# Altium PCB pioneer_2-bluepill_eletronic_wrapper.PcbDoc (part 1 of 2)
Units mm, origin at the board's own origin, x right, y up, seen from the top; angles counter-clockwise.
Board outline 74.55 x 93.73 mm, 2 copper layers (Top Layer, Bottom Layer); 99 components, 70 nets, 327 pads, 80 vias.
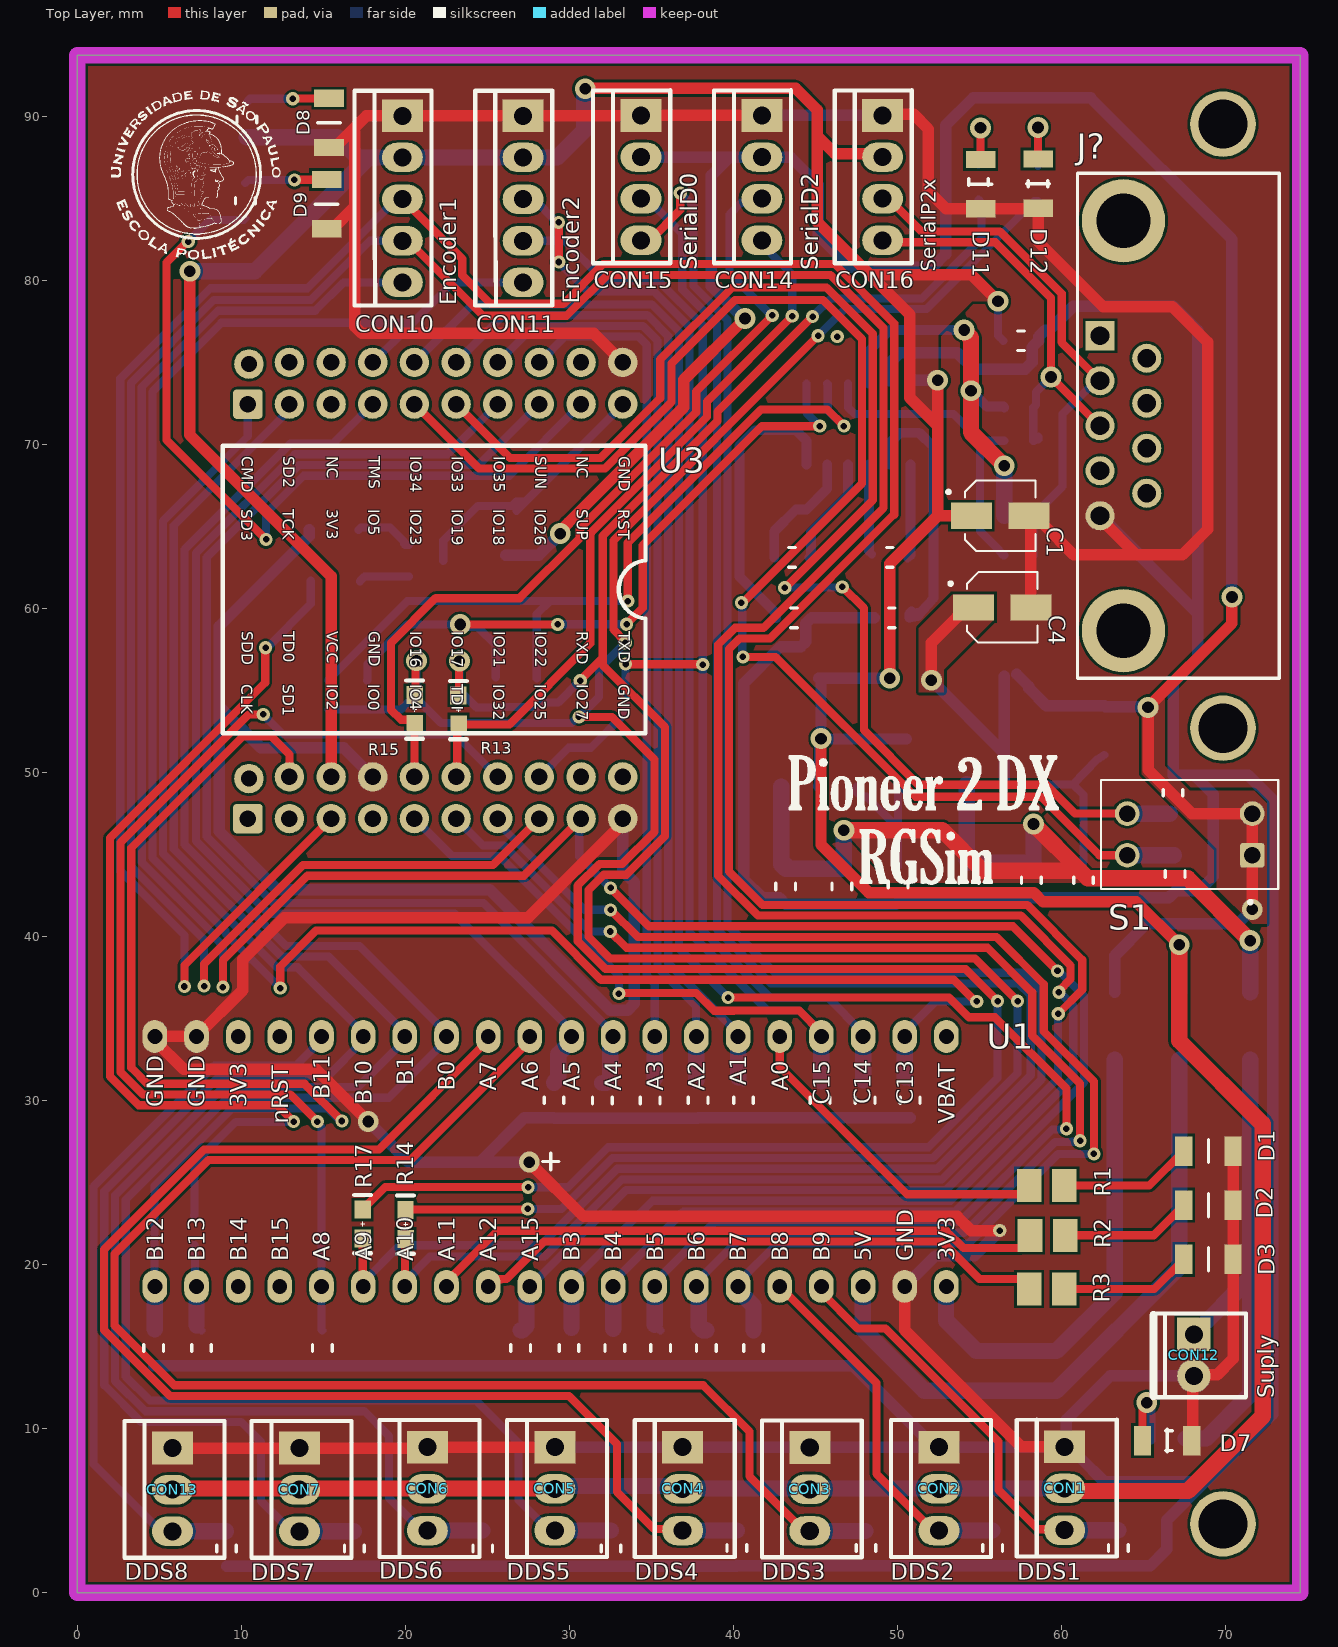
[diagram p0: Top Layer view]
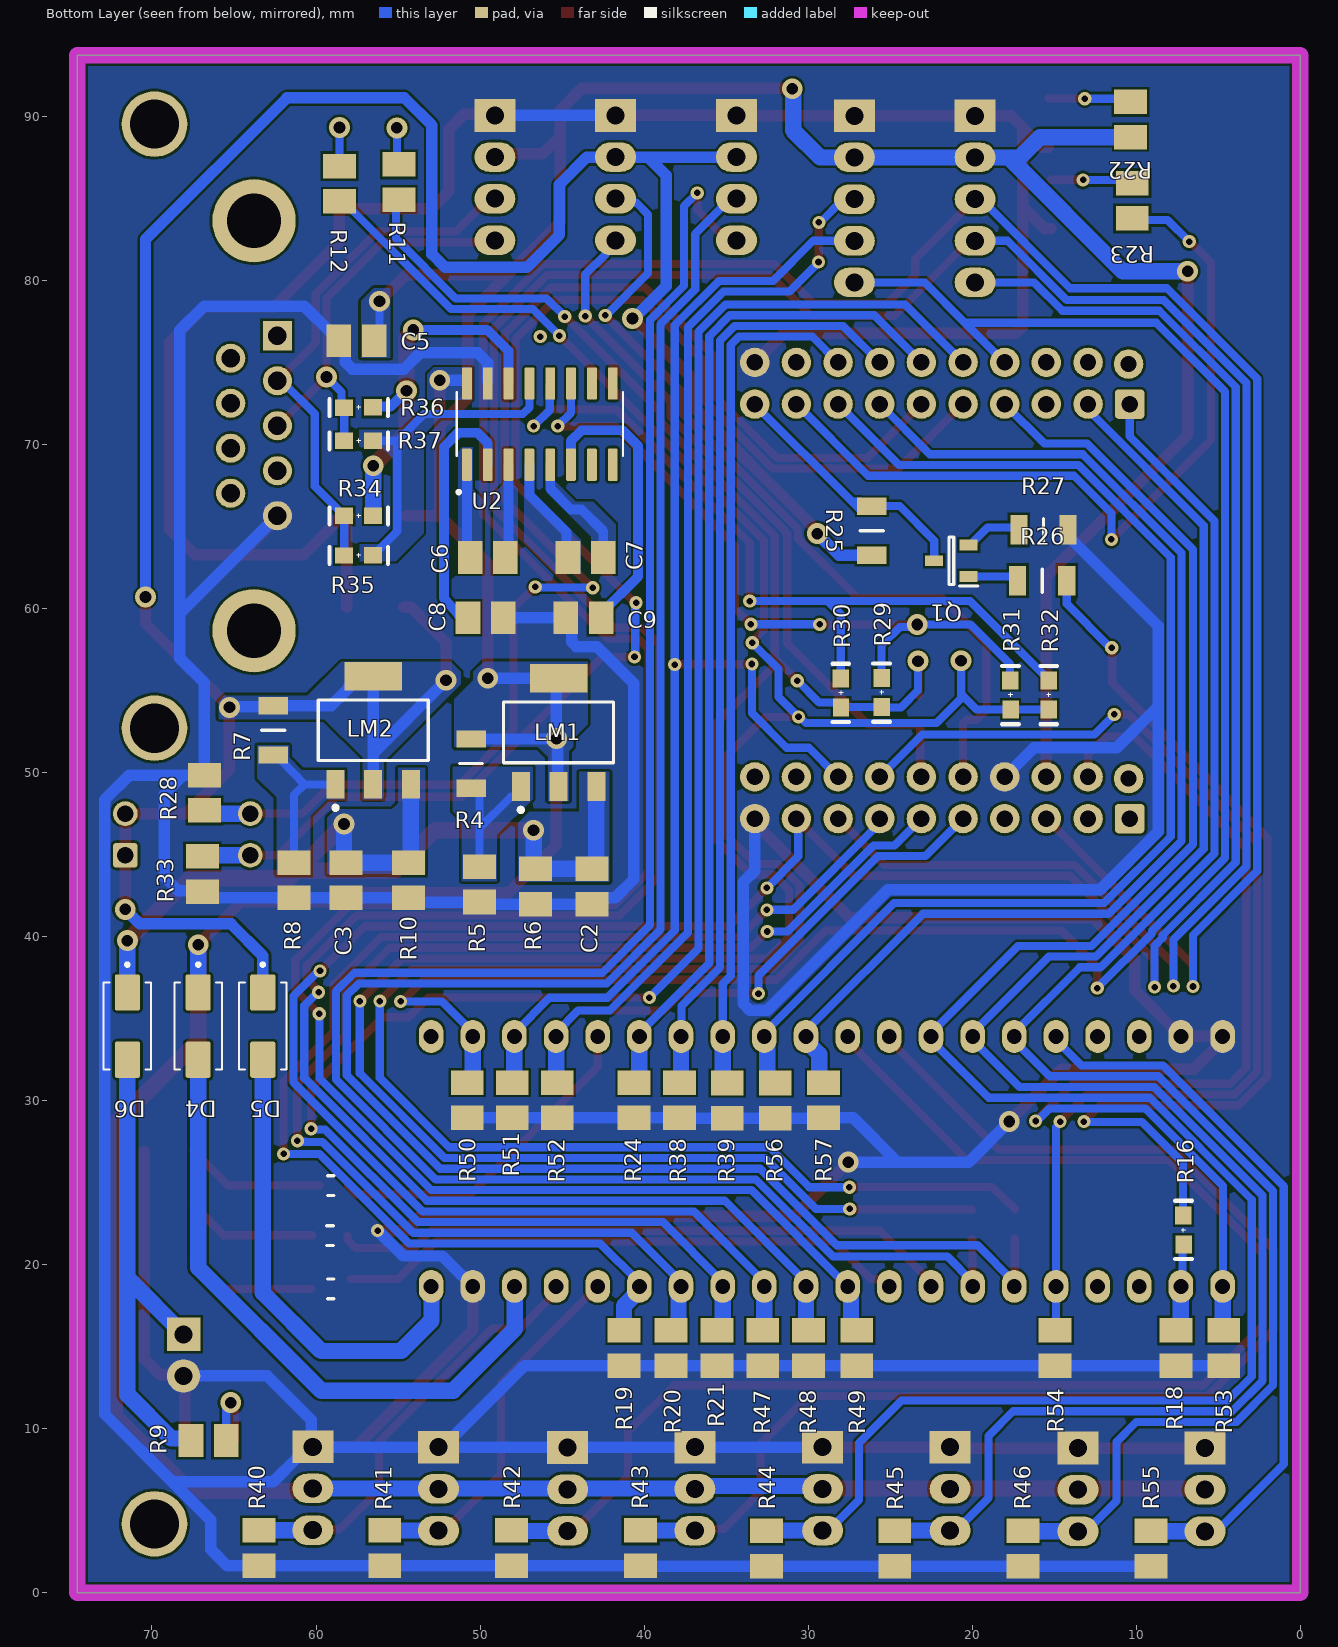
[diagram p1: Bottom Layer view, seen from below]
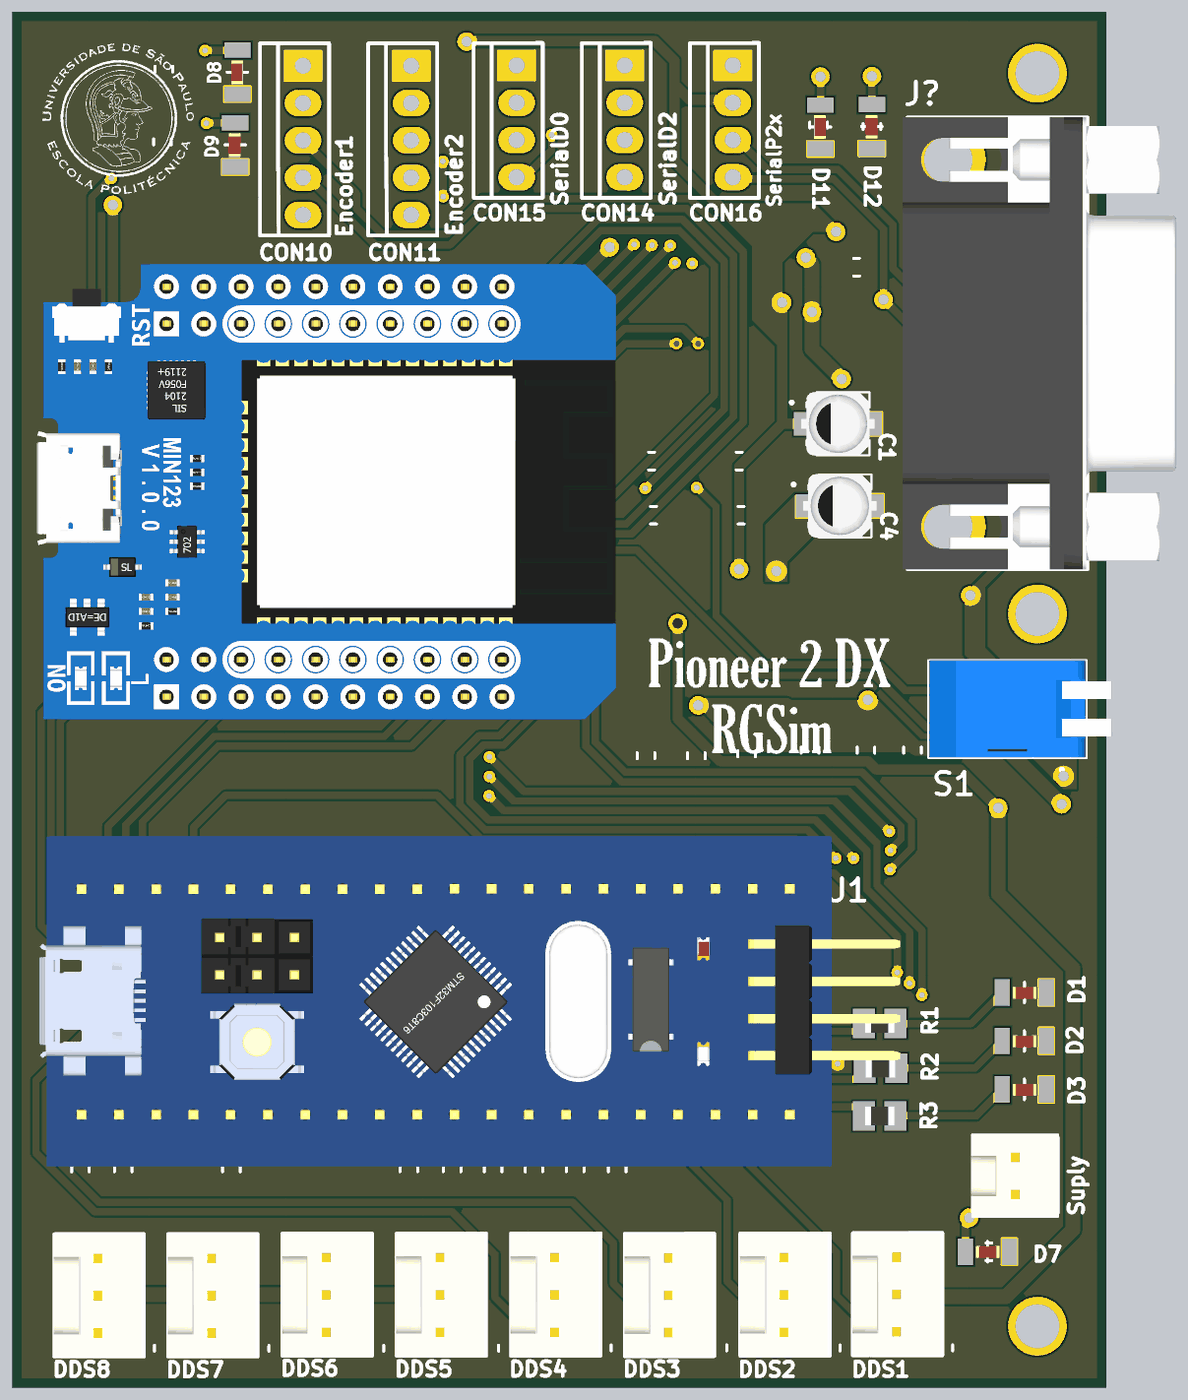
[diagram p3: 3D render of the assembled board from above, using the file's embedded part models]
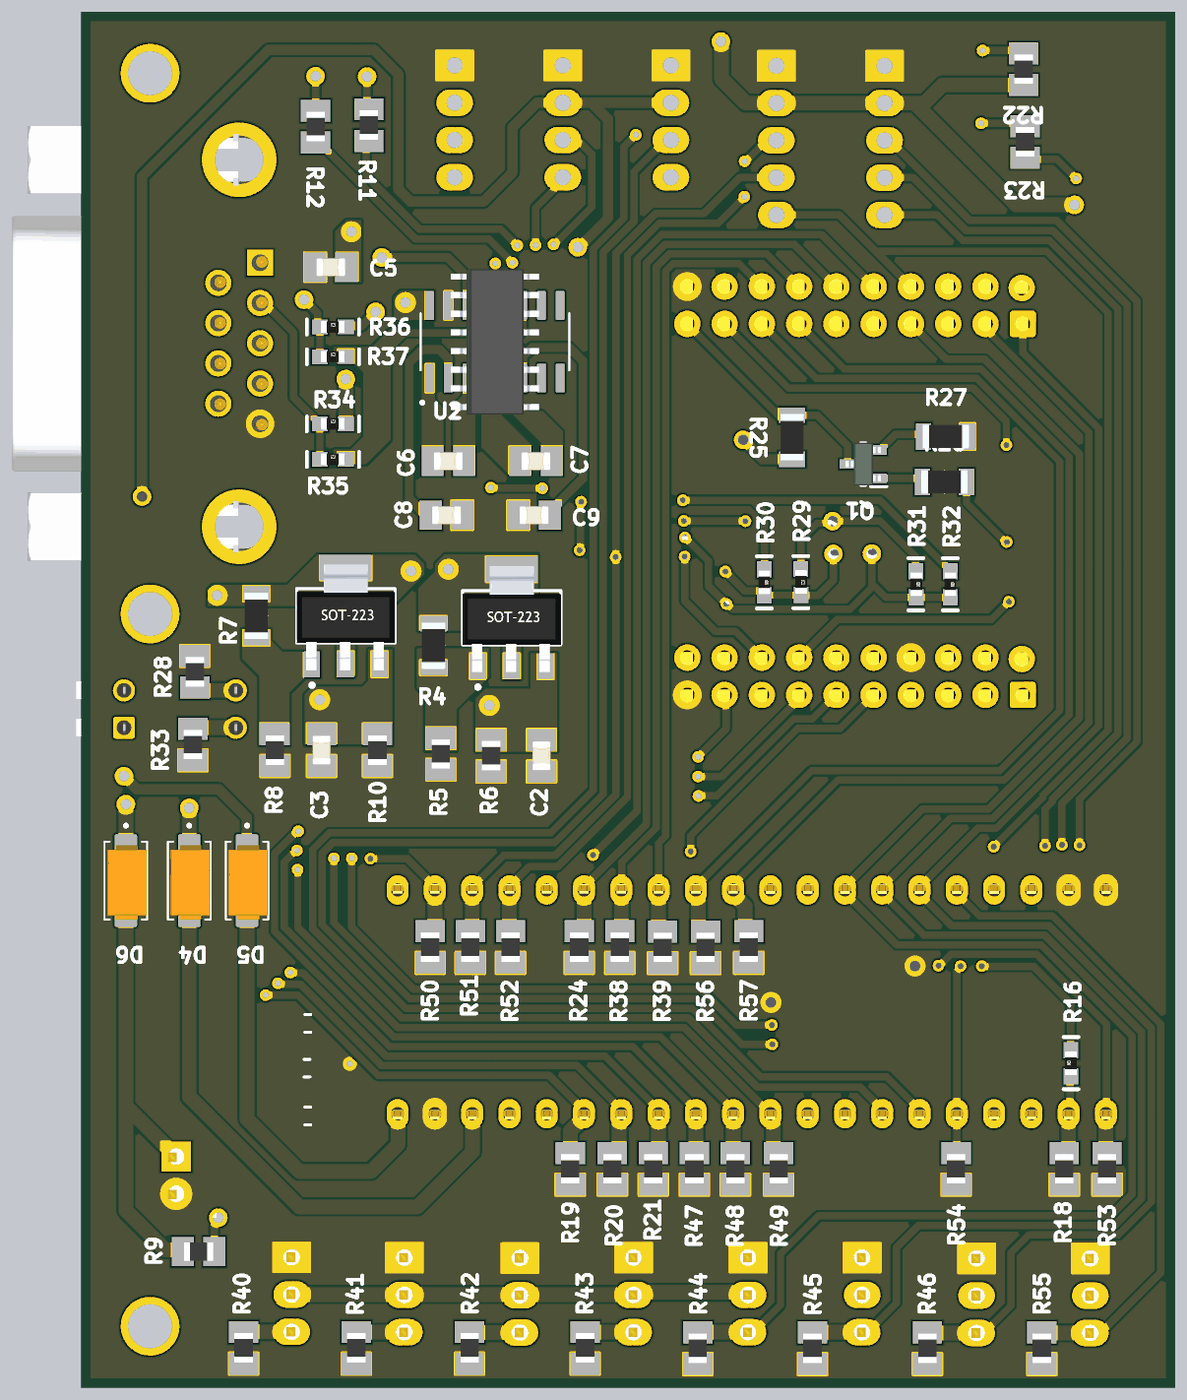
[diagram p4: 3D render of the assembled board from below, using the file's embedded part models]

## Layer stack, top to bottom
Top Solder: solder mask 0.0102, Solder Resist, Dk 3.5
Top Layer: signal copper 0.0356
Dielectric 1: dielectric 0.32, FR-4, Dk 4.8
Bottom Layer: signal copper 0.0356
Bottom Solder: solder mask 0.0102, Solder Resist, Dk 3.5

## Board outline
0,0 74.549,0 74.549,93.726 0,93.726

## Design rules (kind name [scope] priority, off if disabled: settings)
Clearance [All] p1: gap=0.152 ignorepadtopadclearanceinfootprint=FALSE except(0: Arc-Hole Track-Hole SMDPad-Hole THPad-Hole Via-Hole Fill-Hole Poly-Hole Region-Hole Text-Hole)
ComponentClearance [All] p1: gap=0.1 collisioncheckmode=3 verticalgap=0.1 showdistances=FALSE
HoleSize [All] p1: absolutevalues=TRUE maxlimit=3.4 minlimit=0.025 maxpercent=80.000 minpercent=20.000
MinimumSolderMaskSliver [All] p1: minsoldermaskwidth=0.1
PolygonConnect [All] p1: connectstyle=Direct reliefconductorwidth=0.254 reliefentries=4 polygonreliefangle="90 Angle" airgapwidth=0.254
RoutingVias [All] p1: holewidth=0.4 width=0.8 viastyle="Through Hole" minholewidth=0.3 minwidth=0.6 maxholewidth=0.5 maxwidth=1
SilkToSilkClearance [All] p1: silktosilkclearance=0
SilkToSolderMaskClearance [IsPad] p1: minsilkscreentomaskgap=0 clearancetoexposedcopper=TRUE
SolderMaskExpansion [All] p1: expansion=0.08 istentingtop=FALSE
SupplyNets "Schematic Supply Nets_4" [InNet('gnd')] p1: voltage=0.000
SupplyNets "Schematic Supply Nets_3" [InNet('3v3')] p2: voltage=0.000
SupplyNets "Schematic Supply Nets_2" [InNet('5v')] p3: voltage=0.000
SupplyNets "Schematic Supply Nets" [InNet('VCC')] p4: voltage=0.000
Width [All] p1: maxlimit=1 minlimit=0.3 preferedwidth=0.5
25 further rules are at their usual default settings.

## Classes and differential pairs
component class U_pioneer_2-bluepill_eletronic_wrapper-supply: C1 C2 C3 C4 CON12 D4 D5 D6 D7 LM1 LM2 R4 R5 R6 R7 R8 R9 R10
component class U_pioneer_2-bluepill_eletronic_wrapper-communication: C5 C6 C7 C8 C9 CON14 CON15 CON16 D8 D9 D11 D12 J? Q1 R11 R12 R13 R14 R15 R16 R17 R22 R23 R25 R26 R27 R28 R29 R30 R31 R32 R33 R34 R35 R36 R37 S1 U2 U3
component class pioneer_2-bluepill_eletronic_wrapper: CON1 CON2 CON3 CON4 CON5 CON6 CON7 CON10 CON11 CON13 D1 D2 D3 R1 R2 R3 R18 R19 R20 R21 R24 R38 R39 R40 R41 R42 R43 R44 R45 R46 R47 R48 R49 R50 R51 R52 R53 R54 R55 R56 R57 U1

## Components (designator, comment, footprint, x,y, rotation, side; value= is the part's Value field where it differs from the comment)
C1 "smd 1uF" CAP_EEE1HA2R2SR 56.261,65.659 r0 top
C2 "0.1uF 0805" "CAPACITOR 0805" 43.18,43.053 r90 bottom
C3 "0.1uF 0805" "CAPACITOR 0805" 58.166,43.434 r90 bottom
C4 "smd 1uF" CAP_EEE1HA2R2SR 56.388,60.071 r0 top
C5 "1uF 0805" "CAPACITOR 0805" 57.531,76.327 r0 bottom
C6 "1uF 0805" "CAPACITOR 0805" 49.53,63.119 r0 bottom
C7 "1uF 0805" "CAPACITOR 0805" 43.561,63.119 r0 bottom
C8 "1uF 0805" "CAPACITOR 0805" 49.657,59.434 r0 bottom
C9 "1uF 0805" "CAPACITOR 0805" 43.688,59.436 r180 bottom
CON1 "DDS1" KK_3vias_180º 60.198,8.89 r270 top
CON2 "DDS2" KK_3vias_180º 52.527,8.865 r270 top
CON3 "DDS3" KK_3vias_180º 44.653,8.839 r270 top
CON4 "DDS4" KK_3vias_180º 36.906,8.865 r270 top
CON5 "DDS5" KK_3vias_180º 29.108,8.865 r270 top
CON6 "DDS6" KK_3vias_180º 21.336,8.865 r270 top
CON7 "DDS7" KK_3vias_180º 13.538,8.814 r270 top
CON10 "Encoder1" 5vias 19.812,90.043 r270 top
CON11 "Encoder2" 5vias 27.178,90.043 r270 top
CON12 "Suply" KK_2VIAS_180º 68.072,15.748 r270 top
CON13 "DDS8" KK_3vias_180º 5.791,8.814 r270 top
CON14 "SerialD2" 4vias 41.732,90.068 r270 top
CON15 "SerialD0" 4vias 34.366,90.068 r270 top
CON16 "SerialP2x" 4vias 49.098,90.068 r270 top
D1 "LED 3MM RED" "LED RED" 68.961,26.924 r0 top
D2 "LED 3MM RED" "LED RED" 68.961,23.622 r0 top
D3 "LED 3MM RED" "LED RED" 68.961,20.32 r0 top
D4 "Diode M7" DIOM505270X240 67.183,34.544 r270 bottom
D5 "Diode M7" DIOM505270X240 63.246,34.544 r270 bottom
D6 "Diode M7" DIOM505270X240 71.501,34.544 r270 bottom
D7 "LED 3MM RED" "LED RED" 66.445,9.271 r0 top
D8 "Led esp supply" "LED RED" 15.342,89.611 r270 top
D9 "Led state" "LED RED" 15.189,84.658 r270 top
D11 "Led TX" "LED RED" 55.067,85.877 r270 top
D12 "Led RX" "LED RED" 58.572,85.903 r270 top
J? "DB9" *DB9_DB9(Primary) 63.779,71.145 r90 top
LM1 "LM317 Linear regulator - 5V" SOT-223-2 45.212,52.451 r180 bottom
LM2 "LM317 Linear regulator - 3V3" SOT-223-2 56.515,52.578 r180 bottom
Q1 "Trans BC817" SOT96P240X110-3N 21.26,62.916 r0 bottom
R1 "680R 0805" "RESISTOR 0805" 59.106,24.816 r180 top
R2 "680R 0805" "RESISTOR 0805" 59.157,21.768 r180 top
R3 "680R 0805" "RESISTOR 0805" 59.106,18.517 r180 top
R4 "1k 1206" RESC3216X60N 50.546,50.546 r90 bottom
R5 "3k 0805" "RESISTOR 0805" 50.038,43.18 r270 bottom
R6 "20k 0805" "RESISTOR 0805" 46.609,43.053 r270 bottom
R7 "3k3 1206" RESC3216X60N 62.611,52.578 r90 bottom
R8 "5k1 0805 5%" "RESISTOR 0805" 61.341,43.434 r90 bottom
R9 "680R 0805" "RESISTOR 0805" 66.548,9.271 r0 bottom
R10 "20k 0805" "RESISTOR 0805" 54.356,43.434 r270 bottom
R11 "680R 0805" "RESISTOR 0805" 54.94,86.004 r270 bottom
R12 "680R 0805" "RESISTOR 0805" 58.572,85.903 r270 bottom
R13 "0R" "RESISTOR 0603" 23.241,53.823 r270 top
R14 "0R" "RESISTOR 0603" 20.015,22.454 r270 top
R15 "0R" "RESISTOR 0603" 20.574,53.848 r270 top
R16 "0R" "RESISTOR 0603" 7.112,22.098 r90 bottom
R17 "0R" "RESISTOR 0603" 17.399,22.479 r270 top
R18 "20k 0805" "RESISTOR 0805" 7.569,14.91 r270 bottom
R19 "20k 0805" "RESISTOR 0805" 41.224,14.91 r270 bottom
R20 "20k 0805" "RESISTOR 0805" 38.354,14.91 r270 bottom
R21 "20k 0805" "RESISTOR 0805" 35.56,14.91 r270 bottom
R22 "680R 0805" "RESISTOR 0805" 10.338,89.814 r270 bottom
R23 "680R 0805" "RESISTOR 0805" 10.236,84.861 r270 bottom
R24 "20k 0805" "RESISTOR 0805" 40.615,30.023 r270 bottom
R25 "2K2 1206" RESC3216X60N 26.111,64.743 r270 bottom
R26 "2K2 1206" RESC3216X60N 15.723,61.697 r180 bottom
R27 "2K2 1206" RESC3216X60N 15.646,64.795 r180 bottom
R28 "20k 0805" "RESISTOR 0805" 66.802,48.768 r270 bottom
R29 "0R" "RESISTOR 0603" 25.502,54.889 r270 bottom
R30 "0R" "RESISTOR 0603" 27.991,54.864 r270 bottom
R31 "0R" "RESISTOR 0603" 17.653,54.737 r270 bottom
R32 "0R" "RESISTOR 0603" 15.316,54.737 r270 bottom
R33 "20k 0805" "RESISTOR 0805" 66.929,43.815 r270 bottom
R34 "0R" "RESISTOR 0603" 57.404,65.659 r180 bottom
R35 "0R" "RESISTOR 0603" 57.404,63.246 r180 bottom
R36 "0R" "RESISTOR 0603" 57.404,72.263 r180 bottom
R37 "0R" "RESISTOR 0603" 57.404,70.231 r180 bottom
R38 "20k 0805" "RESISTOR 0805" 37.846,30.023 r270 bottom
R39 "20k 0805" "RESISTOR 0805" 34.925,29.997 r270 bottom
R40 "20k 0805" "RESISTOR 0805" 63.475,2.718 r270 bottom
R41 "20k 0805" "RESISTOR 0805" 55.804,2.718 r270 bottom
R42 "20k 0805" "RESISTOR 0805" 48.082,2.718 r270 bottom
R43 "20k 0805" "RESISTOR 0805" 40.208,2.718 r270 bottom
R44 "20k 0805" "RESISTOR 0805" 32.537,2.692 r270 bottom
R45 "20k 0805" "RESISTOR 0805" 24.714,2.692 r270 bottom
R46 "20k 0805" "RESISTOR 0805" 16.891,2.692 r270 bottom
R47 "20k 0805" "RESISTOR 0805" 32.766,14.91 r270 bottom
R48 "20k 0805" "RESISTOR 0805" 29.972,14.91 r270 bottom
R49 "20k 0805" "RESISTOR 0805" 27.026,14.91 r270 bottom
R50 "20k 0805" "RESISTOR 0805" 50.775,30.023 r270 bottom
R51 "20k 0805" "RESISTOR 0805" 48.031,30.023 r270 bottom
R52 "20k 0805" "RESISTOR 0805" 45.288,30.023 r270 bottom
R53 "20k 0805" "RESISTOR 0805" 4.648,14.91 r270 bottom
R54 "20k 0805" "RESISTOR 0805" 14.935,14.91 r270 bottom
R55 "20k 0805" "RESISTOR 0805" 9.093,2.692 r270 bottom
R56 "20k 0805" "RESISTOR 0805" 32.004,29.997 r270 bottom
R57 "20k 0805" "RESISTOR 0805" 29.058,30.023 r270 bottom
S1 "dip switch 2 channel" SW_DS02-254-2L-02BE 67.818,46.228 r90 top
U1 "BluePill" BluePill 28.854,26.289 r0 top
U2 "MAX3232ID" SOIC127P600X175-16N 46.355,71.247 r90 bottom
U3 "Small case to esp32 d1 mini" "ESP32 D1 MINI" 10.389,47.193 r270 top
